# KiCad board ISA_CGA.kicad_pcb (continued)
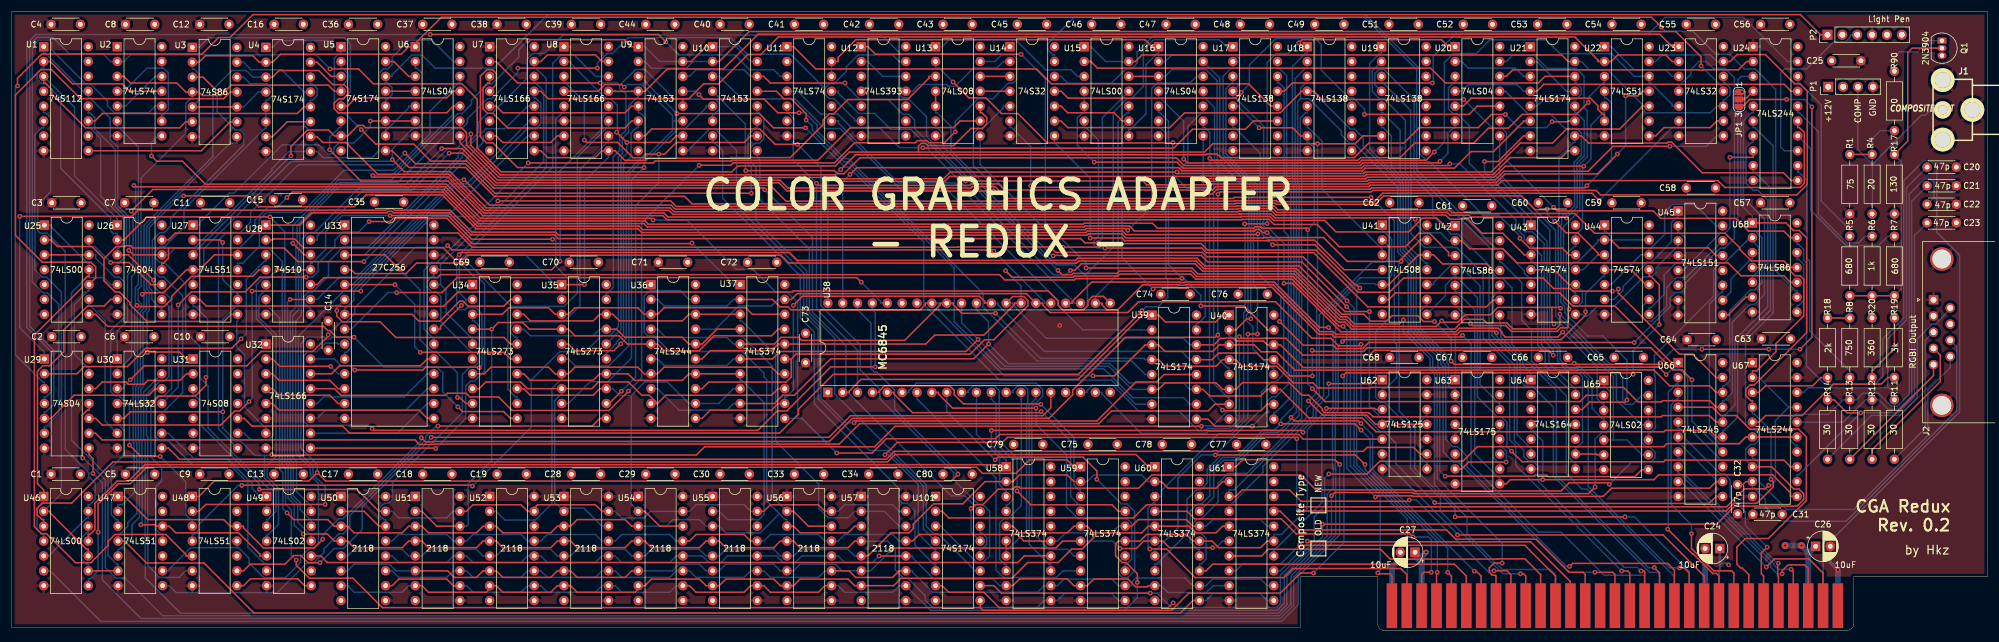
[diagram p0: board, top side]
## Routing (per net, layer and track width the routed paths; a pad name or vN(x,y) marks a point on that pad's centre or on a via; arc(x,y) is an arc through that point) (continued)
/CGA 2/6/AT0: length 86.8
  Top w0.25: 81.66,97.16 82.79,97.16 86.45,93.49 v2(100.55,93.49)
  Bottom w0.25: 101.6,56.52 101.6,57.64 101.88,57.64 102.78,58.53 102.78,80.87 103.87,81.97 103.87,84.31 104.96,85.4 104.96,91.64 104.54,92.05 104.36,92.05 103.87,92.54 103.87,93.07 ; 103.87,93.07 106.59,95.79 108.2,95.79 113.25,90.73 120.2,90.73 120.89,90.05 120.89,88.96 120.04,88.12 119.76,88.12 U10.6 ; 103.87,93.07 103.45,93.49 v2(100.55,93.49)
/CGA 2/6/AT1: length 65.4
  Top w0.25: v2(103.38,85.08) 103.38,85.06 v2(105.11,83.33) 112.43,83.33 113.56,84.45 U9.10
  Bottom w0.25: 94.36,97.16 95.49,97.16 95.49,96.87 101.55,90.8 102.34,90.8 103.48,89.66 103.48,85.18 v2(103.38,85.08) ; v2(105.11,83.33) 105.11,81.45 104.1,80.43 104.1,51.39 U35.16
/CGA 2/6/AT2: length 77.7
  Top w0.25: U7.3 81.66,93.49 81.38,93.49 80.54,92.65 80.54,89.06 81.29,88.3 82.26,88.3 84.75,85.8 104.75,85.8 105.94,86.99 U9.6
  Bottom w0.25: U35.15 101.6,47.48 101.81,47.48 103.34,49.01 103.34,49.24 104.55,50.44 104.55,79.63 105.83,80.92 105.83,84.92 106.78,85.87 107.06,85.87 U9.6
/CGA 2/6/AT3: length 91.4
  Top w0.25: U10.10 126.26,84.45 125.13,83.33 113.56,83.33 111.57,81.34 v2(110.57,81.34) 108.45,81.34 107.84,80.73 106.15,80.73 103.55,83.33 98.26,83.33 v2(97.86,83.73) ; v2(104.17,40.82) 102.08,38.73 U35.12
  Bottom w0.25: U8.3 94.36,93.49 94.64,93.49 97.86,90.28 v2(97.86,83.73) ; v2(104.17,40.82) 106.61,43.26 106.61,72.53 110.57,76.49 v2(110.57,81.34)
/CGA 2/6/AT4: length 112.7
  Top w0.25: U7.4 82.81,93.22 82.81,95.11 82.17,95.75 81.16,95.75 80.09,94.68 80.09,84.31 81.12,83.27 82.21,83.27 86.43,79.05 v2(108.05,79.05)
  Bottom w0.25: U10.5 118.64,89.53 118.64,89.25 115.11,85.72 113.93,85.72 108.05,79.85 v2(108.05,79.05) 105.9,76.9 105.9,46.52 101.85,42.47 98.84,42.47 95.11,38.73 U35.9
/CGA 2/6/AT5: length 79.2
  Top w0.25: U8.4 100.17,92.07 101.32,93.22 104.21,93.22 v2(104.66,92.78)
  Bottom w0.25: 112.92,86.99 112.92,87.92 107.6,93.24 105.12,93.24 v2(104.66,92.78) ; 112.92,86.99 U9.11 ; 112.92,86.99 112.92,85.4 105.45,77.92 105.45,48.6 102.02,45.17 96.29,45.17 95.11,46.35 U35.6
/CGA 2/6/AT6: length 80.4
  Top w0.25: U35.5 95.11,48.89 96.23,47.77 102.9,47.77 v2(104.06,48.93) ; U7.5 82.79,89.53 83.91,88.41 104.81,88.41 105.94,89.53 U9.5
  Bottom w0.25: v2(104.06,48.93) 105,49.87 105,78.11 108.24,81.36 108.24,87.51 107.34,88.41 107.06,88.41 U9.5
/CGA 2/6/CC0: length 78.8
  Top w0.25: 86.36,56.52 85.23,56.52 84.08,55.36 77.99,55.36 77.13,56.22 76.53,56.22 73.12,52.8 69.57,52.8 68.39,53.97 U33.7
  Bottom w0.25: U7.10 88.16,84.45 74.82,71.12 71.62,71.12 58.46,57.97 58.46,56.39 57.17,55.1 56.9,55.1 U33.7
/CGA 2/6/CC1: length 84.4
  Top w0.25: U34.16 85.23,48.89 84.11,50.02 65.63,50.02 62.95,52.7 56.51,52.7 55.54,53.68 v2(55.54,54.61)
  Bottom w0.25: U34.16 86.36,50.02 86.08,50.02 85.23,50.86 85.23,51.93 86.01,52.7 94.33,52.7 97.09,55.46 97.09,78.72 101.7,83.33 101.98,83.33 U8.10 ; v2(55.54,54.61) 55.54,55.15 56.9,56.52
/CGA 2/6/CC2: length 83.1
  Top w0.25: U34.15 85.23,46.35 84.11,47.48 v2(69.81,47.48) ; U33.5 v2(65.49,59.05)
  Bottom w0.25: v2(65.49,59.05) 68.85,55.69 68.85,48.44 v2(69.81,47.48) ; U7.11 88.16,86.99 88.16,86.69 77.72,76.25 75.47,76.25 58.27,59.05 U33.5
/CGA 2/6/CC3: length 94.2
  Top w0.25: v2(77.71,62.72) 69.16,62.72 67.38,60.93 58.68,60.93 58.02,61.59 56.9,61.59
  Bottom w0.25: U34.12 86.36,39.86 86.08,39.86 84.78,41.16 84.78,54.75 85.36,55.33 ; 85.36,55.33 94.39,55.33 96.64,57.58 96.64,80.81 101.7,85.87 101.98,85.87 U8.11 ; 85.36,55.33 77.97,62.72 v2(77.71,62.72)
/CGA 2/6/CC4: length 83.2
  Top w0.25: v2(66.25,61.66) 63.78,64.13 U33.3 ; v2(76.16,39.76) 76.59,39.76 77.61,38.73 U34.9
  Bottom w0.25: U7.12 88.16,89.53 84.31,85.69 81.07,85.69 76.98,81.59 76.98,80.8 60.31,64.13 U33.3 ; v2(66.25,61.66) 69.75,58.16 69.75,49.65 71.78,47.62 72.49,47.62 76.16,43.95 v2(76.16,39.76)
/CGA 2/6/CC5: length 71.9
  Top w0.25: 72.14,61.59 92.27,61.59 v2(93.71,63.03)
  Bottom w0.25: v2(93.71,63.03) 93.71,78.52 100.86,85.66 100.86,87.57 101.7,88.41 101.98,88.41 U8.12 ; U34.6 78.74,47.48 78.56,47.48 73.31,52.73 73.31,57.03 72.52,57.82 71.72,57.82 70.97,58.57 70.97,59.59 71.85,60.47 72.14,60.47 72.14,61.59
/CGA 2/6/CC6: length 57.4
  Bottom w0.25: 73.26,59.05 73.26,62.41 90.88,80.03 90.88,92.12 89.51,93.49 89.28,93.49 U7.14 ; 73.26,59.05 74.21,58.11 74.21,54.27 78.46,50.02 78.74,50.02 U34.5 ; 73.26,59.05 U33.24
/CGA 2/6/CC7: length 68.2
  Top w0.25: U33.21 73.26,51.44 73.26,51.92 v2(76.83,55.49)
  Bottom w0.25: v2(76.83,55.49) 77.61,56.27 77.61,56.52 ; U8.14 99.77,94.61 96.08,98.31 93.92,98.31 92.43,96.82 92.43,79.12 76.49,63.17 76.49,57.64 77.61,56.52 ; 77.61,56.52 78.74,56.52
/CGA 5/6/BLUE: length 24.1
  Bottom w0.25: U45.3 284.73,65.42 284.46,65.42 280.95,61.92 280.95,61.13 280.23,60.41 278.87,60.41 273.8,55.33 270.86,55.33 269.22,53.69 268.62,53.69 268.33,53.97 U43.8
/CGA 5/6/CYAN: length 21.8
  Bottom w0.25: U45.1 284.73,70.5 284.45,70.5 283.61,69.66 283.61,66.37 280.11,62.86 279.46,62.86 275.33,58.74 275.33,58.1 273.75,56.52 272.16,56.52
/CGA 5/6/GREEN: length 19
  Bottom w0.25: U44.8 279.78,55.1 280.06,55.1 282.34,57.38 282.34,60.7 284.34,62.7 285.11,62.7 285.95,63.55 285.95,67.02 285.02,67.96 284.73,67.96 U45.2
/CGA 5/6/MAGENTA: length 25
  Bottom w0.25: U45.14 286.08,60.27 284.48,60.27 282.79,58.58 282.79,55.35 280.28,52.85 279.31,52.85 278.64,53.52 278.64,55.37 279.78,56.52
/CGA 5/6/RED: length 30.2
  Bottom w0.25: U45.15 291.23,69.09 287.56,72.76 283.8,72.76 282.43,71.38 282.43,67.62 280.06,65.26 279.78,65.26 U44.12 278.37,64.13 273.29,59.05 U44.5
/CGA 5/6/YELLOW_BURST: length 35.6
  Top w0.25: 272.16,66.67 273.29,66.67 274.65,65.31 289.92,65.31 291.23,64.01 U45.13
  Bottom w0.25: 272.16,66.67 271.04,66.67 271.04,66.36 267.54,62.86 266.86,62.86 266.08,62.09 266.08,58.58 267.02,57.64 267.21,57.64 267.21,56.52
/CGA 6/6/DB0: length 44
  Top w0.25: v2(282.96,17.27) 287.15,13.08 287.27,13.08 290.64,9.71 291.28,9.71 291.72,9.27 P5.40
  Bottom w0.25: v2(282.96,17.27) 283.04,17.36 283.04,40.64 284.45,42.05 284.73,42.05 U66.2
/CGA 6/6/DB1: length 43.3
  Top w0.25: P5.39 294.26,9.78 293.88,10.16 290.83,10.16 287.02,13.97 v2(287.02,16.51)
  Bottom w0.25: v2(287.02,16.51) 287.02,18.02 283.54,21.5 283.54,38.5 284.56,39.51 284.73,39.51 U66.3
/CGA 6/6/DB2: length 61.1
  Top w0.25: U66.4 290.59,38.1 292.01,36.69 294.67,36.69 296.98,34.37 305.3,34.37 306.65,33.02 306.65,22.16 300.16,15.67 296.23,15.67 294.77,14.21 294.77,11.3 295.4,10.67 295.66,10.67 296.8,9.53 P5.38
/CGA 6/6/DB3: length 38.8
  Top w0.25: P5.37 299.34,9.27 298.96,9.65 298.96,13.22 v2(299.94,14.2)
  Bottom w0.25: U66.5 284.73,34.43 285.02,34.43 285.86,33.59 285.86,32.82 292.01,26.67 292.68,26.67 293.63,25.72 293.63,22.85 296.22,20.25 296.22,17.92 v2(299.94,14.2)
/CGA 6/6/DB4: length 36.3
  Top w0.25: P5.36 301.88,9.21 301.75,9.34 301.75,11.36 v2(301.86,11.47)
  Bottom w0.25: v2(301.86,11.47) 301.63,11.47 291.23,21.88 291.23,25.68 285.02,31.89 284.73,31.89 U66.6
/CGA 6/6/DB5: length 35.9
  Top w0.25: v2(304.04,10.41) 304.42,10.03 P5.35
  Bottom w0.25: v2(304.04,10.41) 301.85,10.41 301.14,11.12 301.14,11.32 285.86,26.6 285.86,28.51 285.02,29.35 284.73,29.35 U66.7
/CGA 6/6/DB6: length 38.3
  Top w0.25: v2(302.51,9.65) 302.51,10.16 303.49,11.14 304,11.14 304.04,11.18 306.32,11.18 306.96,10.54 P5.34
  Bottom w0.25: v2(302.51,9.65) 301.69,9.65 300.55,10.79 300.55,11.22 284.96,26.81 284.73,26.81 U66.8
/CGA 6/6/DB7: length 38
  Top w0.25: v2(299.8,10.81) 301.19,12.2 307.08,12.2 309.5,9.78 P5.33
  Bottom w0.25: U66.9 285.21,25.4 v2(299.8,10.81)
/CGA 6/6/OSC: length 264.2
  Top w0.25: 25.65,66.67 26.78,66.67 27.97,67.87 76.24,67.87 78.69,65.43 161.64,65.43 161.7,65.49 177.44,65.49 178.38,64.55 203.46,64.55 204.2,63.81 220.63,63.81 v2(228.16,56.28)
  Bottom w0.25: P5.30 238.38,8.33 238.47,8.41 238.47,18.99 229.36,28.1 229.36,55.08 v2(228.16,56.28)
/CGA 6/6/~{SMEMR}: length 72.9
  Bottom w0.25: U42.12 254.25,62.88 254.54,62.88 258.01,59.41 258.01,52.93 259.68,51.26 259.68,45.99 265.63,40.04 265.63,26.79 268.31,24.11 269.19,24.11 284.03,9.27 284.1,9.27 284.1,4.19
A0: length 201.9
  Top w0.25: v2(225,51.73) 223.44,51.73 215.7,59.48 200.38,59.48 200.29,59.39 199.68,59.39 199.59,59.48 184.53,59.48 181.21,56.16 181.21,55.88 U38.24
  Bottom w0.25: v2(225,51.73) 225.77,50.97 225.77,38 223.88,36.11 223.88,21.81 215.89,13.83 215.65,13.83 U61.14 ; 183.38,60.62 181.58,62.42 178.46,62.42 164.57,76.3 164.57,77.21 159.23,82.56 159.23,84.79 158.14,85.87 157.86,85.87 U13.6 ; 183.38,60.62 183.8,60.19 183.8,55.46 183.09,54.75 181.22,54.75 U38.24 ; 183.38,60.62 188.22,65.46 188.22,88.46 190.56,90.8 191.28,90.8 193.36,92.88 193.36,99.15 195.1,100.89 206.34,100.89 207.54,99.69 U17.1
A1: length 150
  Top w0.25: P5.61 238.38,9.53 237.36,10.55 218.92,10.55 217.37,9 202.23,9 197.34,13.89 v2(194.46,13.89) ; v2(211.23,50.59) v2(212.85,50.59)
  Bottom w0.25: v2(212.85,50.59) 212.85,58.38 212.18,59.05 212.18,68.38 212.3,68.51 212.3,75.9 207,81.2 207,94.65 208.38,96.03 208.66,96.03 208.66,97.16 ; v2(194.46,13.89) 194.17,14.17 194.17,20.86 195.04,21.73 195.33,21.73 U60.3 196.45,22.86 196.45,23.84 206.17,33.56 208.51,33.56 211.23,36.29 v2(211.23,50.59)
A2: length 159.3
  Top w0.25: v2(239.45,15.94) 238.93,16.46 219.5,16.46 216.91,19.05 202.13,19.05 200.86,20.32 U60.4 ; P5.60 240.92,9.53 241.3,9.91 v2(242.57,9.91) ; v2(215.46,65.85) 222.68,65.85 229.5,59.04 229.78,59.04 v2(230.35,58.47)
  Bottom w0.25: v2(242.57,9.91) 242.57,15.49 242.13,15.94 v2(239.45,15.94) 239.45,18.64 229.81,28.28 229.81,57.93 v2(230.35,58.47) ; v2(215.46,65.85) 213.66,67.65 213.66,68.03 213.18,68.5 212.8,68.88 212.8,76.03 207.48,81.35 207.48,92.49 208.48,93.49 208.66,93.49 U17.3
A3: length 370.3
  Top w0.25: v2(205.67,29.95) 229.6,29.95 v2(231.23,28.32) ; P5.59 243.46,9.78 v2(243.59,9.91) ; v2(20.41,71.6) 24.11,75.31 73.9,75.31 79.74,69.47 108.03,69.47 108.59,68.91 183.25,68.91 183.42,69.08 190.96,69.08 191.85,68.19 212.37,68.19 212.63,68.45 213.23,68.45 213.76,67.93 v2(214.51,67.93)
  Bottom w0.25: v2(20.41,71.6) 20.73,71.29 20.73,61.62 19.78,60.68 19.78,52.88 18.03,51.13 U30.1 ; v2(231.23,28.32) 231.23,27.5 243.59,15.15 v2(243.59,9.91) ; U17.6 208.66,85.87 208.94,85.87 213.31,81.51 213.31,69.02 214.39,67.93 v2(214.51,67.93) 216.4,66.04 216.4,58.29 217.35,57.33 217.35,43.76 216.01,42.42 215.25,42.42 213.52,40.69 213.52,37.8 v2(205.67,29.95) 203.29,29.95 199.29,25.95 199.29,17.5 195.61,13.83 195.33,13.83 U60.7
A4: length 154.6
  Top w0.25: v2(230.56,34.2) 229.49,35.27 v2(216.83,35.27) ; v2(245.36,9.91) 246,9.27 P5.58
  Bottom w0.25: v2(245.36,9.91) 245.36,14.01 232.1,27.28 232.1,32.66 v2(230.56,34.2) ; U18.1 221.36,98.57 221.08,98.57 218.83,96.32 218.83,76.09 219.07,75.85 219.07,38.23 216.83,35.99 v2(216.83,35.27) 215.82,34.26 213.84,34.26 209.57,29.98 206.73,29.98 204.27,27.52 204.27,25.13 203.16,24.02 202.47,24.02 200.83,22.38 200.83,16.51 195.61,11.29 195.33,11.29 U60.8
A5: length 144.1
  Top w0.25: P5.57 248.54,9.27 246.52,11.29 205.2,11.29 204.07,10.16 U60.13
  Bottom w0.25: U18.5 221.36,88.41 221.08,88.41 220.18,87.51 220.18,80.21 220.42,79.98 220.42,36.17 211.06,26.81 207.84,26.81 206.12,25.1 206.12,21.9 203.27,19.05 202.58,19.05 201.8,18.26 201.8,17.32 202.6,16.51 203.27,16.51 204.09,15.7 204.09,12.15 203.23,11.29 202.95,11.29 U60.13
A6: length 149.6
  Top w0.25: v2(230.54,35.35) 230.12,35.77 219.18,35.77 v2(218.59,36.35) ; P5.56 251.08,9.27 250.25,10.1 v2(249.91,10.1)
  Bottom w0.25: 221.36,97.16 221.36,96.03 221.08,96.03 219.28,94.23 219.28,76.27 219.52,76.04 219.52,37.28 v2(218.59,36.35) 218.59,35.99 216.41,33.81 214.03,33.81 209.75,29.53 206.91,29.53 204.72,27.33 204.72,22.99 203.32,21.59 202.59,21.59 201.35,20.34 201.35,15.14 202.66,13.83 202.95,13.83 U60.14 ; v2(230.54,35.35) 232.55,33.34 232.55,27.46 v2(249.91,10.1)
A7: length 190
  Top w0.25: P5.55 253.62,9.27 253.49,9.4 252.98,9.4 252.48,9.91 252.48,10.67 253.29,11.48 v2(254.68,11.48)
  Bottom w0.25: v2(254.68,11.48) 254.68,14.85 243.56,25.97 243.56,44.17 242.81,44.92 242.81,46.6 238.62,50.79 238.62,62.82 236.84,64.61 236.84,75.68 229.33,83.18 228.65,83.18 227.2,84.64 227.2,85.29 221.69,90.8 220.24,90.8 ; U60.17 205.39,22.77 205.39,27.37 207.09,29.07 209.93,29.07 213.82,32.95 216.22,32.95 219.97,36.7 219.97,76.22 219.73,76.46 219.73,90.3 220.24,90.8 ; 220.24,90.8 220.24,92.65 221.08,93.49 221.36,93.49 U18.3
A8: length 117.5
  Top w0.25: v2(238.8,22.25) 238.59,22.04 220.29,22.04 218.34,23.99 210.28,23.99 209.15,22.86 U61.3 ; 256.16,4.19 256.16,9.53 255.51,10.17 v2(253.25,10.17)
  Bottom w0.25: U61.3 208.03,23.99 208.89,23.99 221.25,36.35 221.25,37.78 223.42,39.95 223.42,53.87 232.42,62.86 234.57,62.86 235.33,63.62 235.33,65.54 234.19,66.67 ; v2(253.25,10.17) 252.09,10.17 240.01,22.25 v2(238.8,22.25)
A9: length 134.4
  Top w0.25: 258.32,9.65 258.3,9.67 ; 258.32,9.65 258.7,9.27 P5.53 ; 258.32,9.65 v2(257.81,9.65)
  Bottom w0.25: 244.12,20.35 244.12,20.32 254.78,9.67 256.79,9.67 256.81,9.65 v2(257.81,9.65) ; 244.12,20.35 244.12,22.56 239.01,27.67 239.01,34.49 234.51,38.99 233.86,38.99 233.06,39.79 233.06,51.01 235.37,53.32 235.37,60.21 ; 244.12,20.35 244.12,20.31 ; 235.37,60.21 230.43,60.21 224.16,53.95 224.16,40.06 222.4,38.3 222.4,36.6 213.8,27.99 213.8,26.94 208.31,21.45 208.03,21.45 U61.4 ; 235.37,60.21 235.78,60.62 235.78,66.78 234.47,68.09 234.19,68.09 U41.1
A10: length 60.9
  Top w0.25: U61.7 213.56,12.7 214.69,13.84 233.88,13.84 235.56,12.15 253.85,12.15 253.91,12.21 258.56,12.21 261.24,9.53 P5.52
A11: length 64.9
  Top w0.25: v2(220.1,14.59) 220.18,14.52 258.53,14.52 263.78,9.27 P5.51
  Bottom w0.25: U61.8 209.15,10.16 210.28,11.29 216.79,11.29 v2(220.1,14.59)
A12: length 60.1
  Top w0.25: v2(221.38,15.24) 221.5,15.12 259.53,15.12 266.32,8.33 P5.50
  Bottom w0.25: U61.13 216.77,10.16 221.38,14.77 v2(221.38,15.24)
A13: length 63
  Top w0.25: P5.49 268.86,9.53 268.48,9.91 266.13,9.91 260.47,15.57 246.74,15.57 245.17,17.14 219.95,17.14 216.77,20.32 U61.17
A15: length 118.8
  Top w0.25: P5.47 273.94,9.53 273.56,9.91 v2(270.51,9.91)
  Bottom w0.25: U19.1 234.06,98.57 233.78,98.57 232.03,96.82 232.03,82.24 237.74,76.53 237.74,64.98 239.52,63.19 239.52,51.44 244.16,46.8 244.16,45.48 244.58,45.05 244.58,30.52 246.33,28.77 247.14,28.77 266.01,9.91 v2(270.51,9.91)
A16: length 116.1
  Top w0.25: v2(275.08,10.13) 276.13,10.13 276.48,9.78 P5.46
  Bottom w0.25: 234.06,97.16 232.49,95.58 232.49,92.03 233.71,90.8 234.44,90.8 238.14,87.11 238.14,78.07 239.09,77.12 239.09,67.75 241.43,65.41 246.89,65.41 251.43,60.86 251.43,49.95 255.94,45.43 255.94,32.57 257.01,31.5 257.01,28.15 258.31,26.85 258.41,26.85 258.41,26.8 v2(275.08,10.13)
A17: length 112
  Top w0.25: v2(278.38,10.13) 278.93,10.13 279.02,10.03 P5.45
  Bottom w0.25: U19.3 234.06,93.49 234.34,93.49 239.04,88.79 239.04,77.81 242.79,74.06 242.79,70.85 245.96,67.67 247.12,67.67 252.44,62.35 252.44,49.67 256.76,45.35 256.76,32.38 258.37,30.78 258.37,29.72 259.14,28.94 259.92,28.94 260.86,28 260.86,25.43 275.54,10.75 277.76,10.75 v2(278.38,10.13)
A18: length 117.5
  Top w0.25: v2(280.67,10.7) 281.56,9.82 P5.44
  Bottom w0.25: v2(280.67,10.7) 279.67,10.7 263.94,26.44 263.94,40.94 258.65,46.24 258.65,46.55 256.35,48.85 256.35,58.49 254.64,60.2 253.89,60.2 252.89,61.2 252.89,64.99 239.62,78.25 239.62,90.65 234.49,95.78 233.6,95.78 232.94,95.11 232.94,93.2 U19.4
A19: length 115
  Top w0.25: 284.1,4.19 284.1,10.29 282.96,11.43 266.7,11.43 v2(266.19,10.92)
  Bottom w0.25: v2(266.19,10.92) 265.63,10.92 248.68,27.87 248.68,29.7 247.01,31.37 246.28,31.37 245.03,32.61 245.03,45.24 244.61,45.67 244.61,46.99 239.97,51.63 239.97,63.42 238.19,65.21 238.19,76.75 235.72,79.22 235.72,84.49 234.34,85.87 234.06,85.87 U19.6
AEN: length 178.5
  Top w0.25: U14.9 179.31,86.99 180.44,85.86 197.87,85.86 200.39,88.38 216.74,88.38 220.24,91.88 220.24,92.07 U18.4 222.49,92.07 223.89,90.67 v2(248.11,90.67) ; v2(284.98,10.66) 285.75,10.66 286.64,9.78 P5.42
  Bottom w0.25: v2(248.11,90.67) 253.13,85.65 253.13,78.1 262.8,68.42 262.8,50.15 264.57,48.38 264.57,46.23 266.03,44.77 267.59,44.77 269.38,42.99 269.38,24.56 269.38,24.56 283.28,10.66 v2(284.98,10.66)
ALPHA_DOTS: length 130.3
  Top w0.25: v2(275.77,91.3) 277.88,91.3 278.66,92.07 U22.11 ; v2(174.11,75.94) 174.39,75.66 204.47,75.66 205.05,76.24 231.75,76.24 232,76.49 253.7,76.49 255.17,77.96 270.95,77.96 v2(274.35,81.36)
  Bottom w0.25: v2(174.11,75.94) 174.11,82.6 170.84,85.87 170.56,85.87 U14.6 ; v2(275.77,91.3) 275.77,82.78 v2(274.35,81.36)
AT7: length 129.5
  Top w0.25: v2(64.65,70.85) 74.54,70.85 78.59,66.8 v2(92.41,66.8) ; 51.05,61.59 v2(45.33,61.59)
  Bottom w0.25: 93.98,56.52 93.98,57.64 94.68,57.64 95.14,58.09 95.14,60 92.96,62.17 92.96,66.8 ; v2(64.65,70.85) 56.4,70.85 53.64,68.09 53.64,65.06 51.3,62.72 51.05,62.72 51.05,61.59 ; 92.96,66.8 92.96,87.26 94.11,88.41 94.36,88.41 U8.5 ; 92.96,66.8 v2(92.41,66.8) ; v2(45.33,61.59) 43.92,60.18 42.95,60.18 41.8,59.04 41.8,53.23 44.65,50.38 44.65,33.27 43.91,32.53 40.86,32.53 39.73,33.66 U31.9
AT_LATCH: length 90.5
  Top w0.25: U35.11 100.47,36.19 99.16,34.88 v2(72.83,34.88)
  Bottom w0.25: v2(72.83,34.88) 72.55,34.88 70.74,33.07 70.74,32.57 57.8,19.63 57.8,17.64 56.65,16.5 55.92,16.5 53.39,13.96 53.39,13.3 51.52,11.43 50.37,11.43 45.38,6.44 28.09,6.44 26.91,7.62 25.78,7.62
B: length 204.5
  Top w0.25: U67.15 U67.6 296.31,33.02 295.18,31.89 282.82,31.89 282.29,31.37 250.44,31.37 247.93,28.86 233.75,28.86 231.58,26.7 v2(225.05,26.7) ; v2(198.45,4.69) 197.64,3.88 168.72,3.88 166.11,6.49 160.11,6.49 158.99,7.62 U101.7
  Bottom w0.25: v2(225.05,26.7) 224.33,25.97 224.33,21.17 222.57,19.41 222.57,15.15 216.78,9.37 216.78,4.57 216.11,3.9 199.23,3.9 v2(198.45,4.69) ; U45.11 292.35,57.8 292.18,57.8 290.08,55.71 290.08,33.69 291.91,31.86 295.14,31.86 296.31,33.02 U67.6
B_OUT: length 74
  Bottom w0.25: U67.14 305.05,31.61 304.77,31.61 303.93,32.45 303.93,36.03 304.79,36.88 310.46,36.88 312.95,39.37 R13.2 315.2,39.37 316.32,40.5 318.94,40.5 321.19,38.24 322.18,38.24 324.22,40.28 324.22,74.48 326.85,77.11 327.78,77.11 328.44,76.45 328.44,73.93 C22.1
BACKGROUND_I: length 126.2
  Top w0.25: v2(143.94,35.45) 144.25,35.76 185.44,35.76 192.1,42.42 195.64,42.42 196.91,43.69 U39.12
  Bottom w0.25: U10.12 127.38,88.41 127.66,88.41 128.51,87.56 128.51,83.94 127.76,83.18 127.01,83.18 126.26,82.43 126.26,80.01 127.16,79.11 127.16,70.08 135.84,61.4 135.84,54.06 138.26,51.63 138.26,39.68 142.49,35.45 v2(143.94,35.45)
C0: length 320.9
  Top w0.25: 284.86,97.16 283.74,97.16 282.61,98.28 274.41,98.28 273.29,97.16 271.04,97.16 271.04,97.4 267.1,101.34 130.98,101.34 127.98,98.33 125.76,98.33 120.77,93.34 118.24,93.34 115.7,90.8 114.68,90.8 ; U48.2 31.99,20.32 33.16,21.5 v2(53.56,21.5) ; U9.12 114.68,90.8 ; 114.68,90.8 91.68,90.8 90.41,92.07 U7.13
  Bottom w0.25: v2(53.56,21.5) 53.56,24.55 51.48,26.63 51.48,27.96 48.97,30.46 48.97,50.21 56.7,57.93 57.79,57.93 75.66,75.8 78.23,75.8 88.08,85.65 89.53,85.65 90.41,86.52 90.41,90.02 89.47,90.95 89.28,90.95 U7.13
C1: length 323.6
  Top w0.25: U8.13 103.11,92.07 103.13,92.05 105.91,92.05 105.94,92.07 U9.4 108.19,92.07 112,95.88 121.6,95.88 127.54,101.82 281.61,101.82 283.74,99.69 U23.1 ; v2(39.31,24.75) 39.36,24.8 78.57,24.8 v2(78.73,24.64)
  Bottom w0.25: v2(78.73,24.64) 88.76,34.67 88.76,42.73 93.65,47.62 98.11,47.62 100.79,50.31 102.13,50.31 103.65,51.83 103.65,80.78 104.38,81.52 104.38,81.8 104.32,81.86 104.32,84 105.41,85.09 105.41,89.58 106.78,90.95 107.06,90.95 U9.4 ; v2(39.31,24.75) 38.69,24.75 31.99,18.05 31.99,17.21 31.14,16.37 30.86,16.37 U48.4
CAS_CC: length 103.2
  Top w0.25: U25.10 14.33,60.18 14.33,62.08 13.55,62.86 5.24,62.86 0.64,67.47 0.64,91.43 4.99,95.78 6.79,95.78 11.76,90.8 36.21,90.8 37.36,91.95 U3.11
  Bottom w0.25: U25.10 13.21,57.93 12.98,57.93 10.68,55.63 10.68,47.19 12.93,44.94 13.21,44.94 U29.13
CC_LATCH: length 82.4
  Top w0.25: v2(76.23,38.16) 77.01,37.37 84.06,37.37 85.23,36.19 U34.11 ; v2(58.49,50.07) 55.49,50.07 54.37,51.19 54.01,51.19 53.28,51.91 16.39,51.91 14.33,53.97 U25.8
  Bottom w0.25: v2(58.49,50.07) 63.59,44.96 72.65,44.96 73.65,43.96 73.65,40.74 v2(76.23,38.16)
CHG_DOTS: length 173.3
  Top w0.25: v2(161.22,85.15) 159.35,83.28 156.72,83.28 156.37,83.63 154.74,83.63 154.38,83.28 144.03,83.28 140.6,79.84 123.27,79.84 122.86,79.43 v2(117.46,79.43) ; 51.05,41.28 55.13,41.28 56.27,40.14 74.13,40.14 74.48,40.49 77.63,40.49 78.26,39.86 83.2,39.86 85.5,37.55 102.08,37.55 v2(105.38,40.85)
  Bottom w0.25: v2(117.46,79.43) 107.63,69.61 107.63,43.11 v2(105.38,40.85) ; 165.48,97.16 168.03,97.16 169.19,98.31 171,98.31 171.71,97.6 171.71,94.12 171.08,93.49 170.34,93.49 167.65,90.8 165.1,90.8 161.22,86.93 v2(161.22,85.15)
COLOR_SEL: length 108.3
  Top w0.25: v2(203.94,74.48) 205.09,74.48 205.94,75.34 232.12,75.34 232.37,75.59 268.79,75.59 v2(269.14,75.94)
  Bottom w0.25: U22.4 272.16,90.95 272.44,90.95 273.35,90.04 273.35,80.15 v2(269.14,75.94) ; U39.15 202.44,52.43 202.72,52.43 203.94,53.65 v2(203.94,74.48)
COMP_VID: length 38.6
  Bottom w0.25: J1.1 327.91,88.9 327.03,88.01 326.33,88.01 317.94,79.62 ; P1.3 315.47,82.09 317.94,79.62 ; R4.1 317.94,71.18 317.94,79.62
CURSOR: length 128.4
  Top w0.25: v2(210.67,69.43) 214.48,69.43 v2(214.52,69.47) ; v2(219.93,100.34) 220.48,100.89 244.31,100.89 245.51,99.69 U20.1
  Bottom w0.25: v2(210.67,69.43) 210.73,69.37 210.73,54.48 210.5,54.25 210.5,36.19 208.32,34.01 204.45,34.01 204.08,33.64 193,33.64 186.29,40.35 186.29,40.64 U38.19 ; v2(214.52,69.47) 214.52,96.98 216.04,98.51 218.1,98.51 v2(219.93,100.34)
D0: length 259.8
  Top w0.25: U66.18 291.23,40.64 290.1,41.77 283.28,41.77 280.56,44.49 267.5,44.49 267.45,44.44 219.25,44.44 216.11,47.58 213.49,47.58 212.3,48.77 U40.3 206.35,48.77 205.22,47.64 197.07,47.64 195.94,48.77 U39.3 193.69,48.77 188.4,43.48 v2(184.77,43.48) ; 124.46,56.52 130,56.52 131.27,55.24 132.67,55.24 133.17,54.74 155.24,54.74 156.1,55.6 156.1,55.88 U38.33
  Bottom w0.25: U38.33 158.35,55.88 158.35,54.71 169.58,43.48 v2(184.77,43.48) ; U66.18 292.35,41.77 292.64,41.77 293.56,42.69 293.56,54.62 297.1,58.17 297.82,58.17 299.04,59.39 299.04,67.06 297.86,68.25 296.7,68.25 294.95,70 294.95,94.04 295.53,94.61 U24.3 ; 124.46,56.52 123.33,56.52 122.21,55.39 111.47,55.39 110.35,56.52 109.22,56.52
D1: length 253.7
  Top w0.25: U39.4 195.94,46.23 197.07,45.1 205.78,45.1 206.9,46.23 U40.4 209.15,46.23 210.28,45.1 216.13,45.1 218.99,42.25 222.37,42.25 223.22,41.4 232.08,41.4 232.17,41.49 275.41,41.49 277.89,39.01 281.86,39.01 282.08,39.23 290.1,39.23 291.23,38.1 U66.17 ; U37.5 130.32,48.89 131.45,50.03 134.45,50.03 134.97,49.51 152.56,49.51 158.64,55.6 158.64,55.88 U38.32 160.89,55.88 160.89,55.6 162.34,54.15 v2(168.09,54.15)
  Bottom w0.25: U66.17 292.35,39.23 292.64,39.23 294.01,40.6 294.01,52.64 297.03,55.66 297.8,55.66 299.49,57.36 299.49,70.22 295.9,73.82 295.9,87.03 297.28,88.41 297.56,88.41 U24.5 ; U36.4 110.35,51.44 111.76,50.02 122.21,50.02 123.33,48.89 U37.5 ; U39.4 193.69,46.23 193.47,46.45 175.78,46.45 v2(168.09,54.15)
D2: length 255.9
  Top w0.25: U66.16 291.23,35.56 290.1,36.69 282.08,36.69 281.86,36.47 232.61,36.47 231.91,37.18 224.34,37.18 223.91,37.6 223.91,37.86 221.62,40.16 220.44,40.16 218.3,42.3 210.3,42.3 209.15,41.15 U40.6 206.9,41.15 205.78,42.27 197.07,42.27 195.94,41.15 U39.6 ; U37.6 129.99,46.35 131.26,47.62 163.05,47.62 v2(165.13,49.7)
  Bottom w0.25: U37.6 123.33,46.35 122.21,45.23 111.47,45.23 110.35,46.35 U36.6 ; U66.16 292.35,36.69 292.64,36.69 294.46,38.51 294.46,49.64 300.06,55.24 300.06,73.49 298.37,75.17 297.51,75.17 296.35,76.33 296.35,82.4 297.28,83.33 297.56,83.33 U24.7 ; U39.6 191.41,41.15 187.45,45.1 169.7,45.1 165.13,49.67 v2(165.13,49.7) 162.31,52.53 U38.31
D3: length 256.1
  Top w0.25: U39.11 203.56,41.15 204.69,40.02 213.4,40.02 214.52,41.15 U40.11 216.77,41.15 221.64,36.27 230.75,36.27 233.11,33.92 282.3,33.92 282.53,34.15 290.1,34.15 291.23,33.02 U66.15 ; v2(166.91,48.91) 164.38,46.38 139.97,46.38 133.74,40.15 131.73,40.15 130.32,38.73 U37.9
  Bottom w0.25: U37.9 123.33,38.73 122.21,37.61 114.01,37.61 110.35,41.28 109.22,41.28 ; U24.9 297.56,78.25 297.84,78.25 300.51,75.58 300.51,54.68 294.91,49.08 294.91,36.42 292.64,34.15 292.35,34.15 U66.15 ; U38.30 164.85,54.75 166.91,52.69 v2(166.91,48.91) 170.27,45.55 187.64,45.55 190.92,42.27 200.19,42.27 201.31,41.15 U39.11
D4: length 216.4
  Top w0.25: U36.11 117.97,36.19 119.38,37.61 129.83,37.61 130.95,38.73 U37.12 ; v2(222.24,43.43) 218.44,43.43 U40.13 213.88,46.23 212.76,47.35 206.22,47.35 205.1,46.23 U39.13 ; v2(133.57,55.52) 135.11,57.06 165.36,57.06 166.26,56.16 166.26,55.88 U38.29 ; v2(222.21,47.82) 222.4,47.63 230.97,47.63 231.61,48.26 280.07,48.26 283.83,44.5 285.39,44.5 v2(287.1,42.79)
  Bottom w0.25: U37.12 132.08,39.86 132.36,39.86 133.57,41.06 v2(133.57,55.52) ; v2(222.24,43.43) 222.21,43.46 v2(222.21,47.82) ; U39.13 201.31,46.23 199.9,47.64 176.47,47.64 168.51,55.6 168.51,55.88 U38.29 ; U66.14 287.1,35.73 v2(287.1,42.79)
D5: length 214
  Top w0.25: U37.15 133.21,46.35 ; 133.21,46.35 133.21,43.27 132.34,42.4 119.09,42.4 117.97,41.28 116.84,41.28 ; 133.21,46.35 134.02,47.17 163.77,47.17 166.24,49.64 167.82,49.64 173.64,55.45 173.64,56.3 172.93,57.01 171.05,57.01 U38.28 ; 279.89,44.94 281.48,44.94 ; 279.89,44.94 267.32,44.94 267.27,44.89 220.65,44.89 216.77,48.77 U40.14 214.52,48.77 213.87,49.41 209.37,49.41 208.89,49.89 206.56,49.89 205.44,48.77 U39.14 ; 279.89,44.94 281.45,44.94 v2(282.7,43.69)